# KiCad board simpleLogicCircuit.kicad_pcb_v1.4_4x1.kicad_pcb
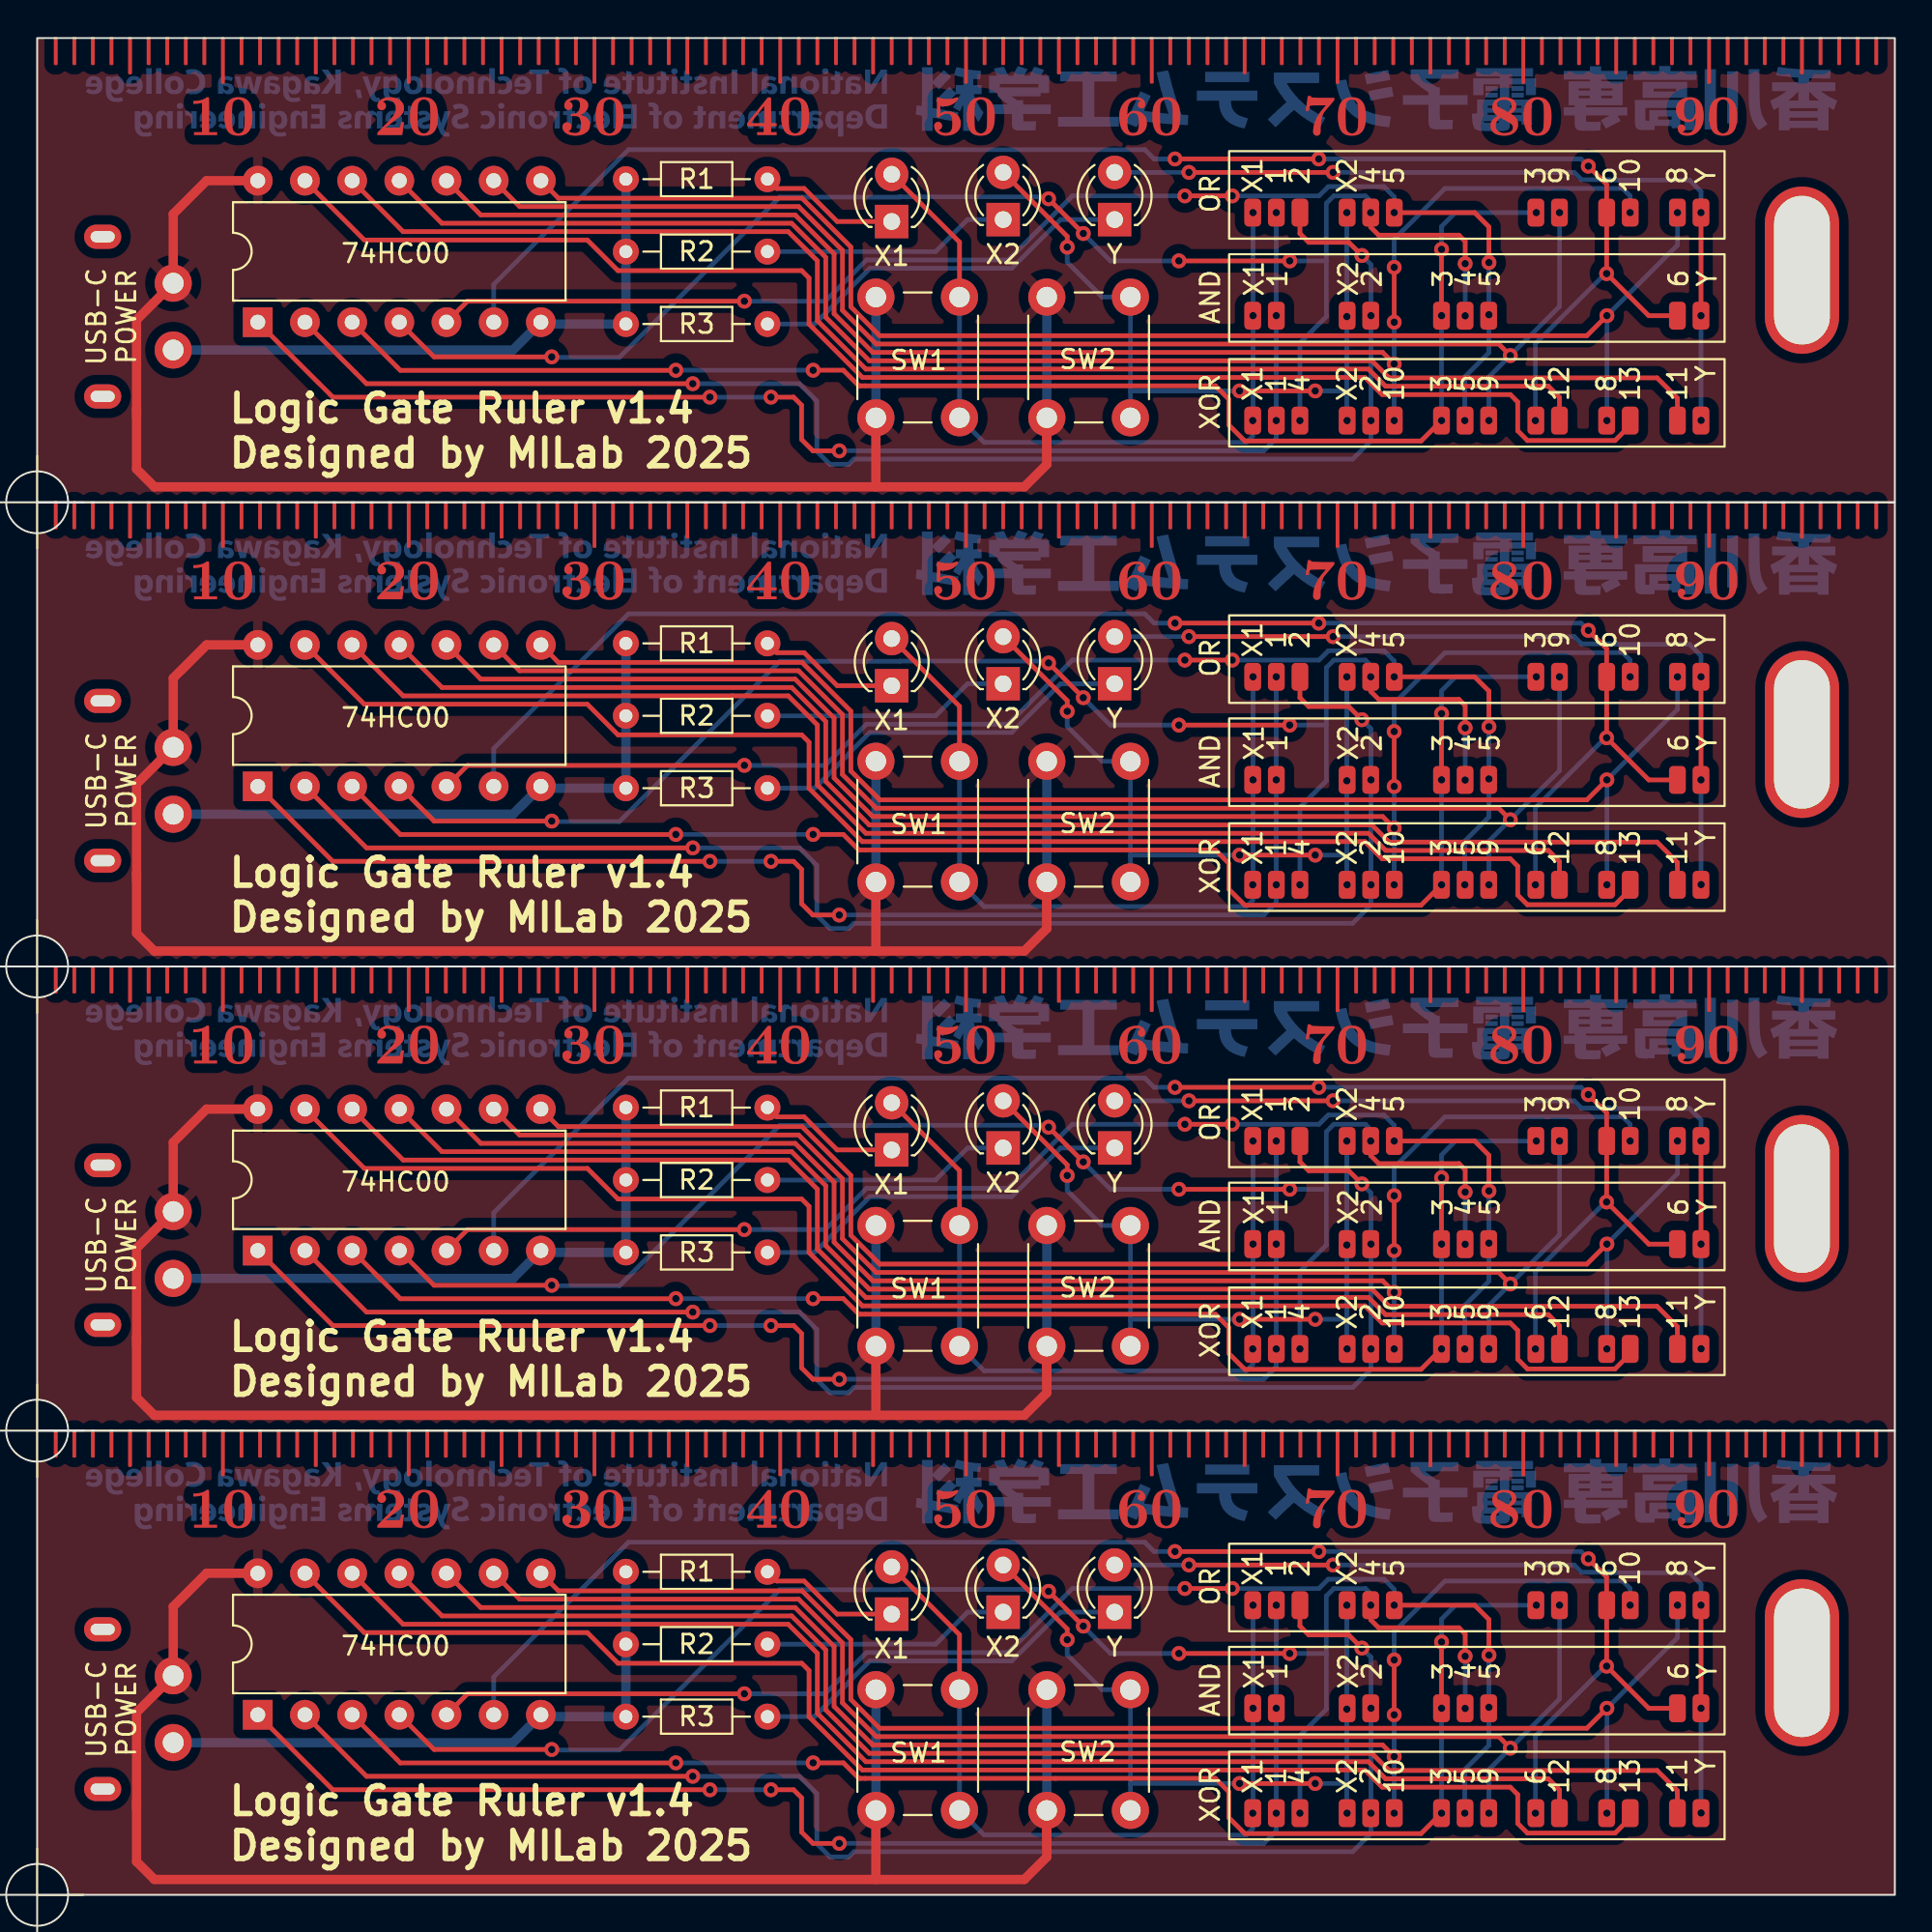
[diagram p0: board, top side]
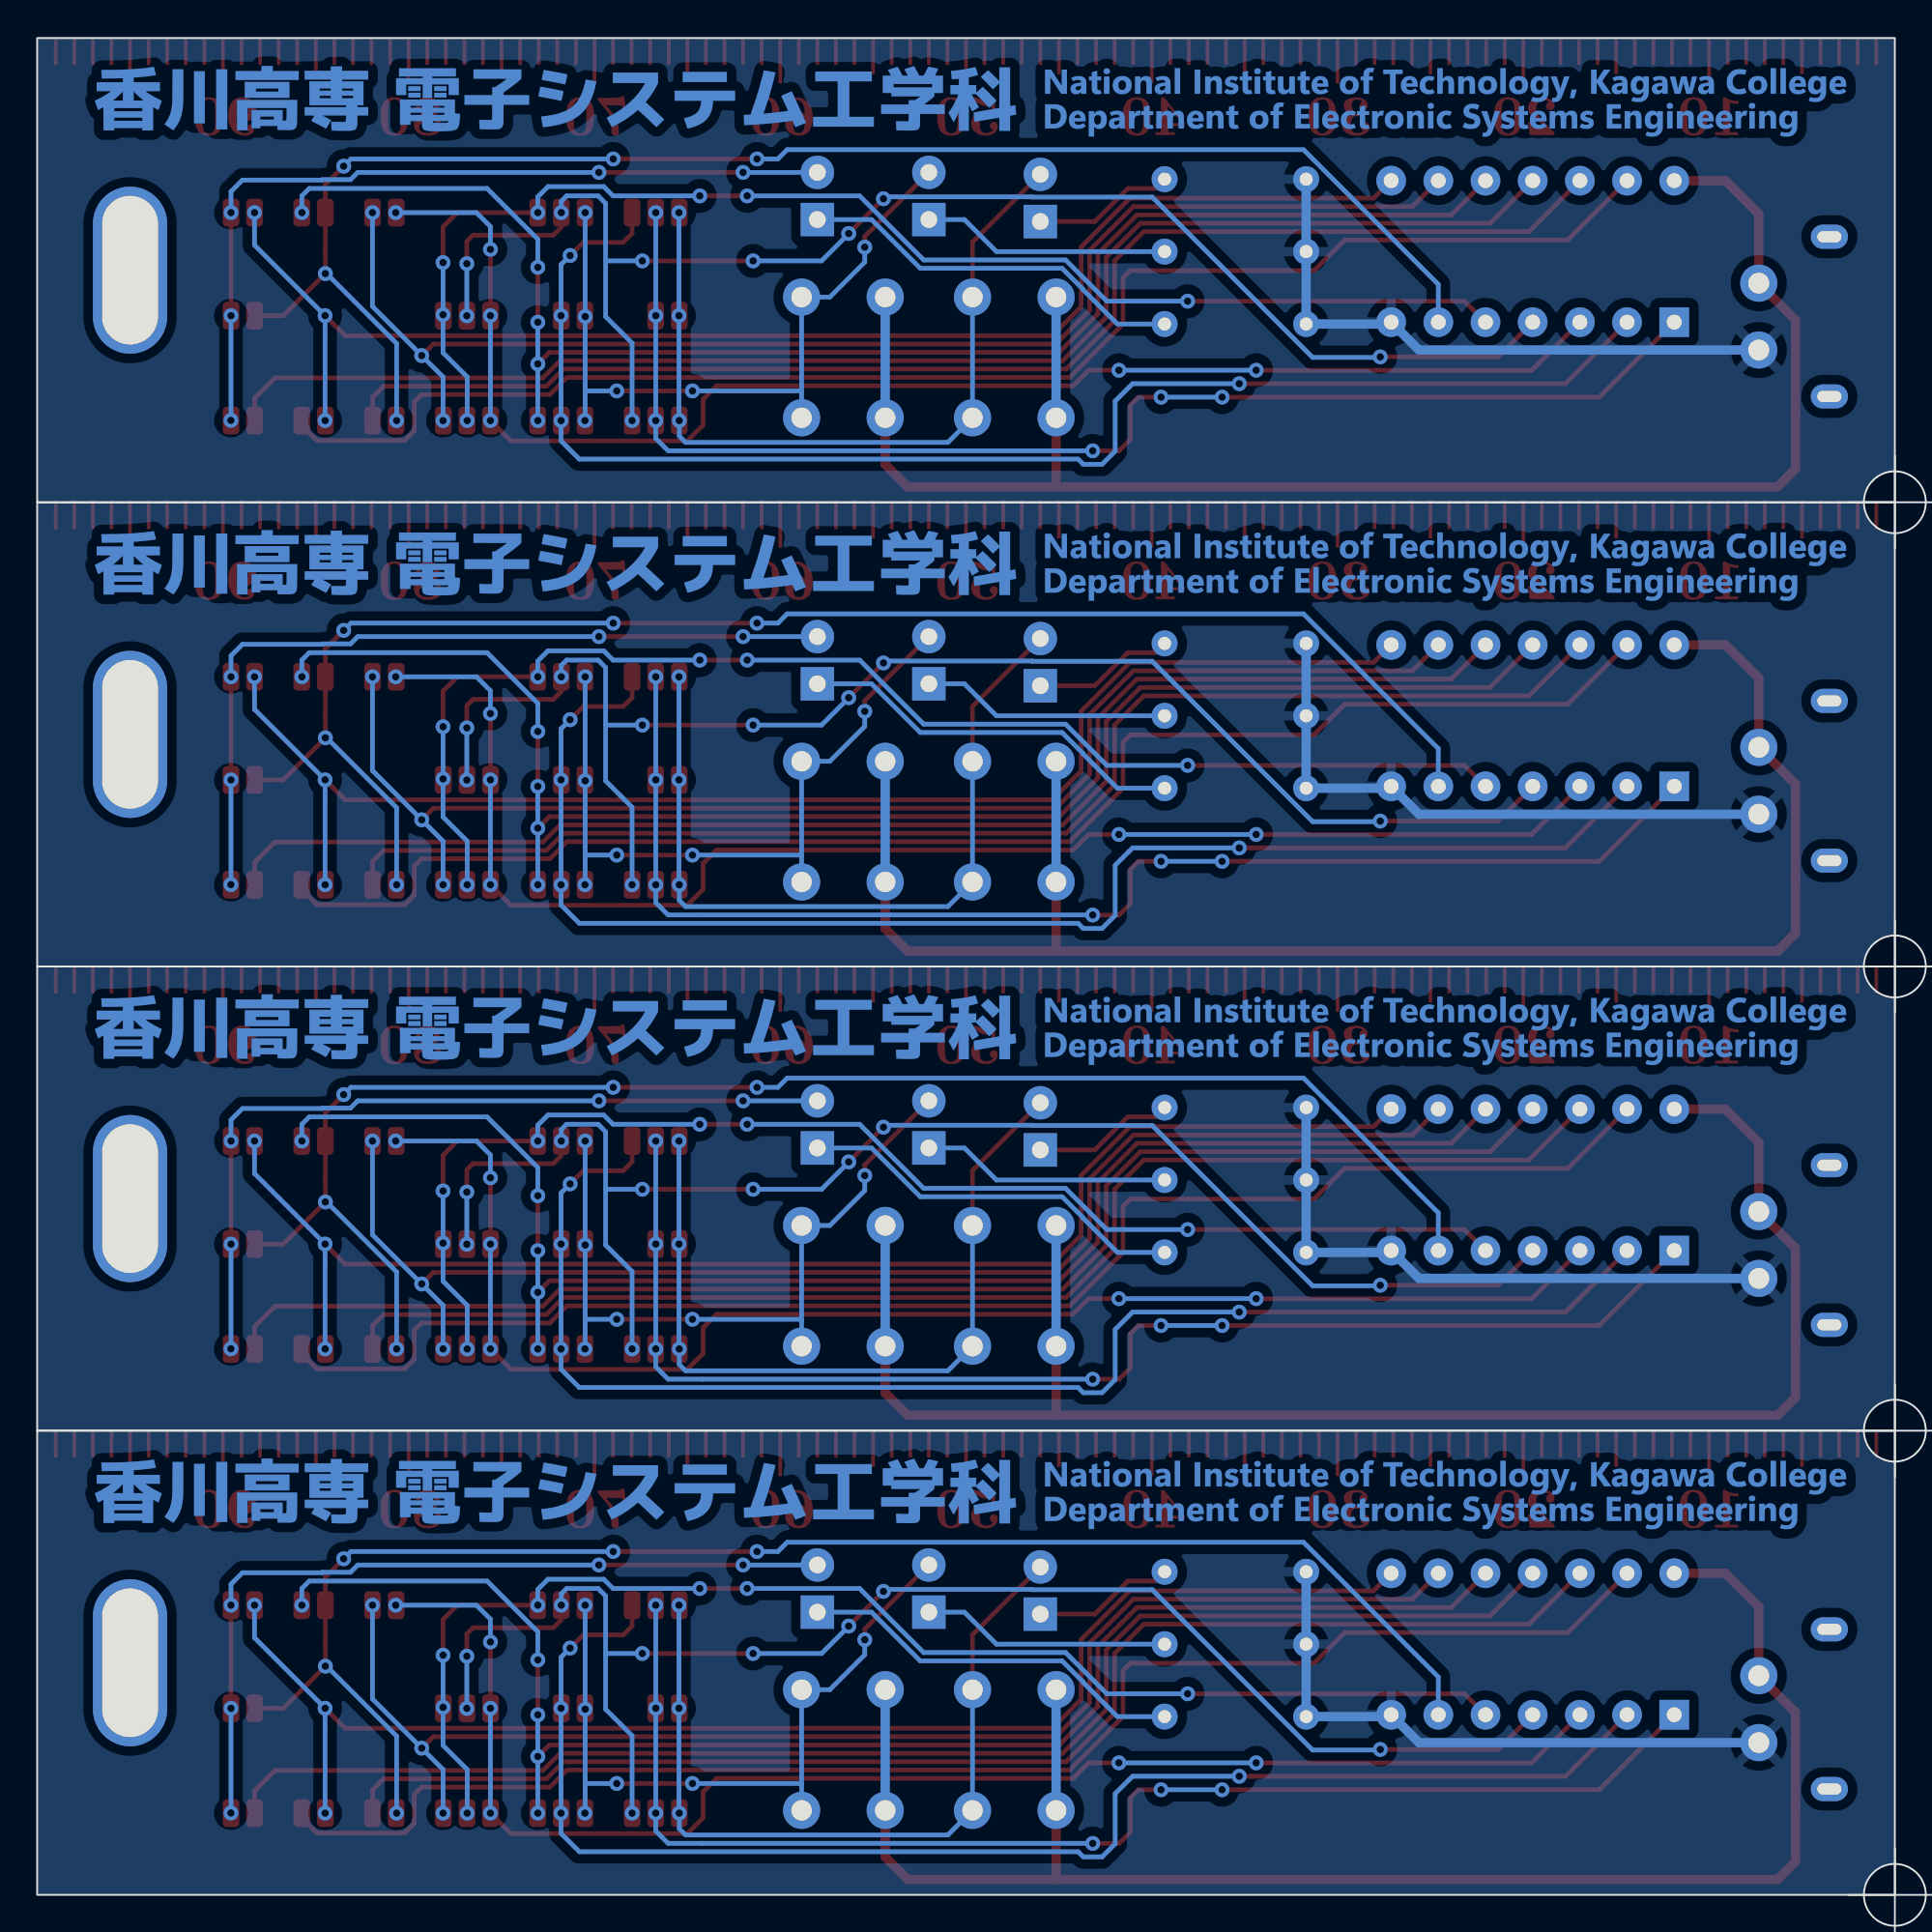
[diagram p1: board, bottom side, seen from below]

Outline 100 x 100 mm; copper layers: Top, Bottom. Coordinates in mm from the lower left corner of the outline.
Outline path: rectangle 0,100 100,75 ; rectangle 0,75 100,50 ; rectangle 0,50 100,25 ; rectangle 0,25 100,0
Stack: Top 0.035mm / dielectric 1.51mm FR4 er 4.5 / Bottom 0.035mm

## Placement (name value [footprint] x y rotation side)
74HC00  74HC00  [DIP-14_W7.62mm]  11.88 59.7 90 top
74HC00#2  74HC00  [DIP-14_W7.62mm]  11.88 84.7 90 top
74HC00#3  74HC00  [DIP-14_W7.62mm]  11.88 9.7 90 top
74HC00#4  74HC00  [DIP-14_W7.62mm]  11.88 34.7 90 top
AND  Pads_AND  [pads_of_and]  65.44 10.05 0 top
AND#2  Pads_AND  [pads_of_and]  65.44 35.05 0 top
AND#3  Pads_AND  [pads_of_and]  65.44 60.05 0 top
AND#4  Pads_AND  [pads_of_and]  65.44 85.05 0 top
G***  LOGO  [numbers_footprint_835_fmask]  49.9 95.7 0 top
G***#2  LOGO  [numbers_footprint_835_fcu]  49.9 70.7 0 top
G***#3  LOGO  [numbers_footprint_835_fmask]  49.9 20.7 0 top
G***#4  LOGO  [numbers_footprint_835_fcu]  49.9 45.7 0 top
G***#5  LOGO  [numbers_footprint_835_fcu]  49.9 20.7 0 top
G***#6  LOGO  [numbers_footprint_835_fcu]  49.9 95.7 0 top
G***#7  LOGO  [numbers_footprint_835_fmask]  49.9 45.7 0 top
G***#8  LOGO  [numbers_footprint_835_fmask]  49.9 70.7 0 top
G***#9  LOGO  [logo_text_nitkc]  49.45 71.22 180 bottom
G***#10  LOGO  [logo_text_nitkc]  49.45 96.22 180 bottom
G***#11  LOGO  [logo_text_nitkc]  49.45 46.22 180 bottom
G***#12  LOGO  [logo_text_nitkc]  49.45 21.22 180 bottom
OR  Pads_OR  [pads_of_or]  65.44 65.6 0 top
OR#2  Pads_OR  [pads_of_or]  65.44 40.6 0 top
OR#3  Pads_OR  [pads_of_or]  65.44 90.6 0 top
OR#4  Pads_OR  [pads_of_or]  65.44 15.6 0 top
R1  R  [R_Axial_DIN0204_L3.6mm_D1.6mm_P7.62mm_Horizontal]  39.31 92.4 180 top
R1#2  R  [R_Axial_DIN0204_L3.6mm_D1.6mm_P7.62mm_Horizontal]  39.31 42.4 180 top
R1#3  R  [R_Axial_DIN0204_L3.6mm_D1.6mm_P7.62mm_Horizontal]  39.31 67.4 180 top
R1#4  R  [R_Axial_DIN0204_L3.6mm_D1.6mm_P7.62mm_Horizontal]  39.31 17.4 180 top
R2  R  [R_Axial_DIN0204_L3.6mm_D1.6mm_P7.62mm_Horizontal]  39.31 13.5 180 top
R2#2  R  [R_Axial_DIN0204_L3.6mm_D1.6mm_P7.62mm_Horizontal]  39.31 88.5 180 top
R2#3  R  [R_Axial_DIN0204_L3.6mm_D1.6mm_P7.62mm_Horizontal]  39.31 38.5 180 top
R2#4  R  [R_Axial_DIN0204_L3.6mm_D1.6mm_P7.62mm_Horizontal]  39.31 63.5 180 top
R3  R  [R_Axial_DIN0204_L3.6mm_D1.6mm_P7.62mm_Horizontal]  39.31 9.6 180 top
R3#2  R  [R_Axial_DIN0204_L3.6mm_D1.6mm_P7.62mm_Horizontal]  39.31 59.6 180 top
R3#3  R  [R_Axial_DIN0204_L3.6mm_D1.6mm_P7.62mm_Horizontal]  39.31 84.6 180 top
R3#4  R  [R_Axial_DIN0204_L3.6mm_D1.6mm_P7.62mm_Horizontal]  39.31 34.6 180 top
REF**  -  [keyringhole]  95 87.5 0 top
REF**#2  -  [ruler_10cm]  0 100 0 top
REF**#3  -  [keyringhole]  95 62.5 0 top
REF**#4  -  [keyringhole]  95 37.5 0 top
REF**#5  -  [ruler_10cm]  0 75 0 top
REF**#6  -  [keyringhole]  95 12.5 0 top
REF**#7  -  [ruler_10cm]  0 50 0 top
REF**#8  -  [ruler_10cm]  0 25 0 top
SW1  SW_Push  [SW_PUSH_6mm]  45.15 79.55 90 top
SW1#2  SW_Push  [SW_PUSH_6mm]  45.15 29.55 90 top
SW1#3  SW_Push  [SW_PUSH_6mm]  45.15 54.55 90 top
SW1#4  SW_Push  [SW_PUSH_6mm]  45.15 4.55 90 top
SW2  SW_Push  [SW_PUSH_6mm]  54.35 4.55 90 top
SW2#2  SW_Push  [SW_PUSH_6mm]  54.35 54.55 90 top
SW2#3  SW_Push  [SW_PUSH_6mm]  54.35 79.55 90 top
SW2#4  SW_Push  [SW_PUSH_6mm]  54.35 29.55 90 top
USB-CPWR  USB_C_Receptacle_PowerOnly_6P  [USB-C-A295-CTRPB-1]  -0.08 10 270 top
USB-CPWR#2  USB_C_Receptacle_PowerOnly_6P  [USB-C-A295-CTRPB-1]  -0.08 35 270 top
USB-CPWR#3  USB_C_Receptacle_PowerOnly_6P  [USB-C-A295-CTRPB-1]  -0.08 85 270 top
USB-CPWR#4  USB_C_Receptacle_PowerOnly_6P  [USB-C-A295-CTRPB-1]  -0.08 60 270 top
X1  LED  [LED_D3.0mm]  46 15.12 90 top
X1#2  LED  [LED_D3.0mm]  46 40.12 90 top
X1#3  LED  [LED_D3.0mm]  46 90.12 90 top
X1#4  LED  [LED_D3.0mm]  46 65.12 90 top
X2  LED  [LED_D3.0mm]  52 15.22 90 top
X2#2  LED  [LED_D3.0mm]  52 40.22 90 top
X2#3  LED  [LED_D3.0mm]  52 65.22 90 top
X2#4  LED  [LED_D3.0mm]  52 90.22 90 top
XOR  Pads_XOR  [pads_of_xor]  65.44 79.4 0 top
XOR#2  Pads_XOR  [pads_of_xor]  65.44 4.4 0 top
XOR#3  Pads_XOR  [pads_of_xor]  65.44 54.4 0 top
XOR#4  Pads_XOR  [pads_of_xor]  65.44 29.4 0 top
Y  LED  [LED_D3.0mm]  58 65.22 90 top
Y#2  LED  [LED_D3.0mm]  58 15.22 90 top
Y#3  LED  [LED_D3.0mm]  58 90.22 90 top
Y#4  LED  [LED_D3.0mm]  58 40.22 90 top

## Footprints (pads in the part's own frame, mm; a bottom-side part is the same pattern mirrored in y, then rotated)
DIP-14_W7.62mm
  rect 1.6x1.6 hole 0.8: 1(0,0)
  oval 1.6x1.6 hole 0.8: 2(0,-2.54) 3(0,-5.08) 4(0,-7.62) 5(0,-10.16) 6(0,-12.7) 7(0,-15.24) 8(7.62,-15.24) 9(7.62,-12.7) 10(7.62,-10.16) 11(7.62,-7.62) 12(7.62,-5.08) 13(7.62,-2.54) 14(7.62,0)
keyringhole
  oval 4x9 hole 3x8: 2(0,0)
LED_D3.0mm
  rect 1.8x1.8 hole 0.9: 1(0,0)
  round 1.8 hole 0.9: 2(2.54,0)
pads_of_and
  rrect 0.9x1.5 smd: 1(0,0) 2(1.27,0) 3(5.08,0) 4(6.35,0) 5(10.16,0) 6(11.43,0) 7(12.7,0) 8(22.86,0) 9(24.13,0)
pads_of_or
  rrect 0.9x1.5 smd: 1(0,0) 2(1.27,0) 3(2.54,0) 4(5.08,0) 5(6.35,0) 6(7.62,0) 7(15.24,0) 8(16.51,0) 9(19.05,0) 10(20.32,0) 11(22.86,0) 12(24.13,0)
pads_of_xor
  rrect 0.9x1.5 smd: 1(0,0) 2(1.27,0) 3(2.54,0) 4(5.08,0) 5(6.35,0) 6(7.62,0) 7(10.16,0) 8(11.43,0) 9(12.7,0) 10(15.24,0) 11(16.51,0) 12(19.05,0) 13(20.32,0) 14(22.86,0) 15(24.13,0)
R_Axial_DIN0204_L3.6mm_D1.6mm_P7.62mm_Horizontal
  round 1.4 hole 0.7: 1(0,0)
  oval 1.4x1.4 hole 0.7: 2(7.62,0)
ruler_10cm
  rrect 0.2x2.5 smd: 4(10,-1.2) 4(20,-1.2) 4(30,-1.2) 4(40,-1.2) 4(50,-1.2) 4(60,-1.2) 4(70,-1.2) 4(80,-1.2) 4(90,-1.2)
  rrect 0.2x2 smd: 13(5,-0.95) 13(15,-0.95) 13(25,-0.95) 13(35,-0.95) 13(45,-0.95) 13(55,-0.95) 13(65,-0.95) 13(75,-0.95) 13(85,-0.95) 13(95,-0.95)
  rrect 0.2x1.5 smd: 23(4,-0.7) 23(14,-0.7) 23(24,-0.7) 23(34,-0.7) 23(44,-0.7) 23(54,-0.7) 23(64,-0.7) 23(74,-0.7) 23(84,-0.7) 23(94,-0.7) 24(3,-0.7) 24(13,-0.7) 24(23,-0.7) 24(33,-0.7) 24(43,-0.7) 24(53,-0.7) 24(63,-0.7) 24(73,-0.7) 24(83,-0.7) 24(93,-0.7) 25(2,-0.7) 25(12,-0.7) 25(22,-0.7) 25(32,-0.7) 25(42,-0.7) 25(52,-0.7) 25(62,-0.7) 25(72,-0.7) 25(82,-0.7) 25(92,-0.7) 26(1,-0.7) 26(11,-0.7) 26(21,-0.7) 26(31,-0.7) 26(41,-0.7) 26(51,-0.7) 26(61,-0.7) 26(71,-0.7) 26(81,-0.7) 26(91,-0.7) 27(6,-0.7) 27(16,-0.7) 27(26,-0.7) 27(36,-0.7) 27(46,-0.7) 27(56,-0.7) 27(66,-0.7) 27(76,-0.7) 27(86,-0.7) 27(96,-0.7) 28(7,-0.7) 28(17,-0.7) 28(27,-0.7) 28(37,-0.7) 28(47,-0.7) 28(57,-0.7) 28(67,-0.7) 28(77,-0.7) 28(87,-0.7) 28(97,-0.7) 29(8,-0.7) 29(18,-0.7) 29(28,-0.7) 29(38,-0.7) 29(48,-0.7) 29(58,-0.7) 29(68,-0.7) 29(78,-0.7) 29(88,-0.7) 29(98,-0.7) 30(9,-0.7) 30(19,-0.7) 30(29,-0.7) 30(39,-0.7) 30(49,-0.7) 30(59,-0.7) 30(69,-0.7) 30(79,-0.7) 30(89,-0.7) 30(99,-0.7)
SW_PUSH_6mm
  round 2 hole 1.1: 1(0,0) 1(6.5,0) 2(0,-4.5) 2(6.5,-4.5)
USB-C-A295-CTRPB-1
  round 2 hole 1.12: A9(-1.8,7.4) A12(1.8,7.4)
  oval 1.3x2 hole 0.6x1.3: S1(-4.3,3.6) S1(4.3,3.6)

## Nets
+5V: 74HC00.14 74HC00#2.14 74HC00#3.14 74HC00#4.14 SW1.1 SW1#2.1 SW1#3.1 SW1#4.1 SW2.1 SW2#2.1 SW2#3.1 SW2#4.1 USB-CPWR.A9 USB-CPWR#2.A9 USB-CPWR#3.A9 USB-CPWR#4.A9
GND: 74HC00.7 74HC00#2.7 74HC00#3.7 74HC00#4.7 R1.2 R1#2.2 R1#3.2 R1#4.2 R2.2 R2#2.2 R2#3.2 R2#4.2 R3.2 R3#2.2 R3#3.2 R3#4.2 USB-CPWR.A12 USB-CPWR#2.A12 USB-CPWR#3.A12 USB-CPWR#4.A12
/74HC00-1: 74HC00.1 74HC00#2.1 74HC00#3.1 74HC00#4.1 AND.2 AND#2.2 AND#3.2 AND#4.2 OR.2 OR#2.2 OR#3.2 OR#4.2 XOR.2 XOR#2.2 XOR#3.2 XOR#4.2
/74HC00-2: 74HC00.2 74HC00#2.2 74HC00#3.2 74HC00#4.2 AND.4 AND#2.4 AND#3.4 AND#4.4 OR.3 OR#2.3 OR#3.3 OR#4.3 XOR.5 XOR#2.5 XOR#3.5 XOR#4.5
/74HC00-3: 74HC00.3 74HC00#2.3 74HC00#3.3 74HC00#4.3 AND.5 AND#2.5 AND#3.5 AND#4.5 OR.7 OR#2.7 OR#3.7 OR#4.7 XOR.7 XOR#2.7 XOR#3.7 XOR#4.7
/74HC00-4: 74HC00.4 74HC00#2.4 74HC00#3.4 74HC00#4.4 AND.6 AND#2.6 AND#3.6 AND#4.6 OR.5 OR#2.5 OR#3.5 OR#4.5 XOR.3 XOR#2.3 XOR#3.3 XOR#4.3
/74HC00-5: 74HC00.5 74HC00#2.5 74HC00#3.5 74HC00#4.5 AND.7 AND#2.7 AND#3.7 AND#4.7 OR.6 OR#2.6 OR#3.6 OR#4.6 XOR.8 XOR#2.8 XOR#3.8 XOR#4.8
/74HC00-6: 74HC00.6 74HC00#2.6 74HC00#3.6 74HC00#4.6 AND.8 AND#2.8 AND#3.8 AND#4.8 OR.9 OR#2.9 OR#3.9 OR#4.9 XOR.10 XOR#2.10 XOR#3.10 XOR#4.10
/74HC00-8: 74HC00.8 74HC00#2.8 74HC00#3.8 74HC00#4.8 OR.11 OR#2.11 OR#3.11 OR#4.11 XOR.12 XOR#2.12 XOR#3.12 XOR#4.12
/74HC00-9: 74HC00.9 74HC00#2.9 74HC00#3.9 74HC00#4.9 OR.8 OR#2.8 OR#3.8 OR#4.8 XOR.9 XOR#2.9 XOR#3.9 XOR#4.9
/74HC00-10: 74HC00.10 74HC00#2.10 74HC00#3.10 74HC00#4.10 OR.10 OR#2.10 OR#3.10 OR#4.10 XOR.6 XOR#2.6 XOR#3.6 XOR#4.6
/74HC00-11: 74HC00.11 74HC00#2.11 74HC00#3.11 74HC00#4.11 XOR.14 XOR#2.14 XOR#3.14 XOR#4.14
/74HC00-12: 74HC00.12 74HC00#2.12 74HC00#3.12 74HC00#4.12 XOR.11 XOR#2.11 XOR#3.11 XOR#4.11
/74HC00-13: 74HC00.13 74HC00#2.13 74HC00#3.13 74HC00#4.13 XOR.13 XOR#2.13 XOR#3.13 XOR#4.13
/X1: AND.1 AND#2.1 AND#3.1 AND#4.1 OR.1 OR#2.1 OR#3.1 OR#4.1 SW1.2 SW1#2.2 SW1#3.2 SW1#4.2 X1.2 X1#2.2 X1#3.2 X1#4.2 XOR.1 XOR#2.1 XOR#3.1 XOR#4.1
/X2: AND.3 AND#2.3 AND#3.3 AND#4.3 OR.4 OR#2.4 OR#3.4 OR#4.4 SW2.2 SW2#2.2 SW2#3.2 SW2#4.2 X2.2 X2#2.2 X2#3.2 X2#4.2 XOR.4 XOR#2.4 XOR#3.4 XOR#4.4
/Y: AND.9 AND#2.9 AND#3.9 AND#4.9 OR.12 OR#2.12 OR#3.12 OR#4.12 XOR.15 XOR#2.15 XOR#3.15 XOR#4.15 Y.2 Y#2.2 Y#3.2 Y#4.2
Net-(D1-Pad1): R1.1 R1#2.1 R1#3.1 R1#4.1 X1.1 X1#2.1 X1#3.1 X1#4.1
Net-(D2-Pad1): R2.1 R2#2.1 R2#3.1 R2#4.1 X2.1 X2#2.1 X2#3.1 X2#4.1
Net-(D3-Pad1): R3.1 R3#2.1 R3#3.1 R3#4.1 Y.1 Y#2.1 Y#3.1 Y#4.1

Pads without a net: REF** 2; REF**#2 4 13 23 24 25 26 27 28 29 30; REF**#3 2; REF**#4 2; REF**#5 4 13 23 24 25 26 27 28 29 30; REF**#6 2; REF**#7 4 13 23 24 25 26 27 28 29 30; REF**#8 4 13 23 24 25 26 27 28 29 30; USB-CPWR S1; USB-CPWR#2 S1; USB-CPWR#3 S1; USB-CPWR#4 S1

## Via types
v1: diameter 0.8, hole 0.4, Top to Bottom, 248 vias

## Routing (per net, layer and track width the routed paths; a pad name or vN(x,y) marks a point on that pad's centre or on a via; arc(x,y) is an arc through that point)
+5V: length 366.6
  Top w0.5: 45.13,25.83 53.14,25.83 54.35,27.04 SW2#4.1 54.35,27.3 ; 45.13,25.83 45.15,25.85 SW1#2.1 ; 45.13,25.83 6.31,25.83 5.35,26.79 5.35,30.01 ; 5.35,30.01 5.35,29.6 ; 5.35,30.01 5.35,34.82 USB-CPWR#2.A9 7.32,40.52 9.12,42.32 74HC00#4.14 ; 45.13,0.83 45.15,0.85 SW1#4.1 ; 45.13,0.83 6.31,0.83 5.35,1.79 5.35,5.01 ; 45.13,0.83 53.14,0.83 54.35,2.04 SW2.1 54.35,2.3 ; SW1#3.1 45.15,50.85 45.13,50.83 ; 45.13,75.83 45.15,75.85 SW1.1 ; 45.13,75.83 53.14,75.83 54.35,77.04 SW2#3.1 54.35,77.3 ; 45.13,75.83 6.31,75.83 5.35,76.79 5.35,80.01 ; 45.13,50.83 6.31,50.83 5.35,51.79 5.35,55.01 ; 45.13,50.83 53.14,50.83 54.35,52.04 SW2#2.1 54.35,52.3 ; 5.35,55.01 5.35,59.82 USB-CPWR#4.A9 7.32,65.52 9.12,67.32 74HC00.14 ; 5.35,55.01 5.35,54.6 ; 74HC00#2.14 9.12,92.32 7.32,90.52 USB-CPWR#3.A9 5.35,84.82 5.35,80.01 ; 5.35,80.01 5.35,79.6 ; 5.35,5.01 5.35,9.82 USB-CPWR.A9 7.32,15.52 9.12,17.32 74HC00#3.14 ; 5.35,5.01 5.35,4.6
  Bottom w0.5: SW2#2.1 SW2#2.1 ; SW1#4.1 SW1#4.1 ; SW1#3.1 SW1#3.1 ; SW2.1 SW2.1 ; SW2#4.1 SW2#4.1 ; SW2#3.1 SW2#3.1 ; SW1#2.1 SW1#2.1 ; SW1.1 SW1.1
GND: length 131.3
  Bottom w0.5: USB-CPWR#2.A12 25.61,33.2 74HC00#4.7 27.22,34.6 R3#4.2 R1#2.2 ; R1.2 R3#3.2 27.22,84.6 74HC00#2.7 25.61,83.2 USB-CPWR#3.A12 ; R1#4.2 R3.2 27.22,9.6 74HC00#3.7 25.61,8.2 USB-CPWR.A12 ; R1#3.2 R3#2.2 27.22,59.6 74HC00.7 25.61,58.2 USB-CPWR#4.A12
/74HC00-1: length 284.9
  Top w0.25: 74HC00#4.1 15.91,30.66 v1(36.21,30.66) ; v1(39.5,5.66) 40.72,5.66 41.15,5.23 41.15,3.38 41.76,2.77 v1(43.18,2.77) ; v1(36.21,55.66) 15.91,55.66 74HC00.1 ; v1(39.5,80.66) 40.72,80.66 41.15,80.23 41.15,78.38 41.76,77.77 v1(43.18,77.77) ; v1(39.5,55.66) 40.72,55.66 41.15,55.23 41.15,53.38 41.76,52.77 v1(43.18,52.77) ; v1(39.5,30.66) 40.72,30.66 41.15,30.23 41.15,28.38 41.76,27.77 v1(43.18,27.77) ; 74HC00#3.1 15.91,5.66 v1(36.21,5.66) ; 74HC00#2.1 15.91,80.66 v1(36.21,80.66)
  Bottom w0.25: v1(36.21,5.66) v1(39.5,5.66) ; v1(43.18,27.77) 43.19,27.77 66.03,27.77 66.7,28.44 v1(66.7,29.4) v1(66.7,35.05) v1(66.7,40.6) ; v1(36.21,55.66) v1(39.5,55.66) ; v1(43.18,77.77) 43.19,77.77 66.03,77.77 66.7,78.44 v1(66.7,79.4) v1(66.7,85.05) v1(66.7,90.6) ; v1(36.21,30.66) v1(39.5,30.66) ; v1(43.18,2.77) 43.19,2.78 66.03,2.78 66.7,3.44 v1(66.7,4.4) v1(66.7,10.05) v1(66.7,15.6) ; v1(66.7,65.6) v1(66.7,60.05) v1(66.7,54.4) 66.7,53.44 66.03,52.77 43.19,52.77 v1(43.18,52.77) ; v1(36.21,80.66) v1(39.5,80.66)
/74HC00-2: length 311.2
  Top w0.25: v1(35.29,31.39) 17.73,31.39 74HC00#4.2 ; v1(71.31,38.29) 70.6,39 68.45,39 67.97,39.47 OR#2.3 ; v1(71.31,13.29) 70.6,14 68.45,14 67.97,14.47 OR#4.3 ; v1(71.31,88.29) 70.6,89 68.45,89 67.97,89.47 OR#3.3 ; v1(35.29,81.39) 17.73,81.39 74HC00#2.2 ; v1(71.31,63.29) 70.6,64 68.45,64 67.97,64.47 OR.3 ; 74HC00#3.2 17.73,6.39 v1(35.29,6.39) ; v1(35.29,56.39) 17.73,56.39 74HC00.2
  Bottom w0.25: v1(71.31,38.29) 71.8,37.8 v1(71.8,35.05) v1(71.8,29.4) 71.8,28.31 70.81,27.32 43.97,27.32 43.69,27.04 42.67,27.04 41.97,27.75 41.97,30.45 41.03,31.39 v1(35.29,31.39) ; v1(35.29,6.39) 41.03,6.39 41.97,5.45 41.97,2.75 42.67,2.04 43.69,2.04 43.97,2.32 70.81,2.32 71.8,3.31 v1(71.8,4.4) v1(71.8,10.05) 71.8,12.8 v1(71.31,13.29) ; v1(71.31,88.29) 71.8,87.8 v1(71.8,85.05) v1(71.8,79.4) 71.8,78.31 70.81,77.32 43.97,77.32 43.69,77.04 42.67,77.04 41.97,77.75 41.97,80.45 41.03,81.39 v1(35.29,81.39) ; v1(71.31,63.29) 71.8,62.8 v1(71.8,60.05) v1(71.8,54.4) 71.8,53.31 70.81,52.32 43.97,52.32 43.69,52.04 42.67,52.04 41.97,52.75 41.97,55.45 41.03,56.39 v1(35.29,56.39)
/74HC00-3: length 313.7
  Top w0.25: v1(34.38,57.11) 34.37,57.1 19.55,57.1 74HC00.3 ; v1(75.6,88.62) 75.59,88.61 AND#4.5 ; v1(41.77,82.11) 43.4,82.11 44.24,81.27 63.43,81.27 64.15,80.55 64.15,79.16 65.01,78.3 74.5,78.3 XOR.7 ; AND#3.5 75.59,63.61 v1(75.6,63.62) ; v1(34.38,32.11) 34.37,32.1 19.55,32.1 74HC00#4.3 ; v1(34.38,7.11) 34.37,7.1 19.55,7.1 74HC00#3.3 ; v1(41.77,7.11) 43.4,7.11 44.24,6.27 63.43,6.27 64.15,5.55 64.15,4.16 65.01,3.3 74.5,3.3 XOR#2.7 ; v1(75.6,38.62) 75.59,38.61 AND#2.5 ; XOR#3.7 74.5,53.3 65.01,53.3 64.15,54.16 64.15,55.55 63.43,56.27 44.24,56.27 43.4,57.11 v1(41.77,57.11) ; v1(75.6,13.62) 75.59,13.61 AND.5 ; v1(34.38,82.11) 34.37,82.1 19.55,82.1 74HC00#2.3 ; XOR#4.7 74.5,28.3 65.01,28.3 64.15,29.16 64.15,30.55 63.43,31.27 44.24,31.27 43.4,32.11 v1(41.77,32.11)
  Bottom w0.25: v1(75.6,38.62) 75.6,39.85 76.35,40.6 v1(80.7,40.6) ; v1(80.7,90.6) 76.35,90.6 75.6,89.85 v1(75.6,88.62) ; v1(75.6,13.62) 75.6,14.85 76.35,15.6 v1(80.7,15.6) ; v1(75.6,10.05) v1(75.6,4.4) ; v1(75.6,60.05) v1(75.6,54.4) ; v1(34.38,32.11) v1(41.77,32.11) ; v1(34.38,7.11) v1(41.77,7.11) ; v1(75.6,35.05) v1(75.6,29.4) ; v1(80.7,65.6) 76.35,65.6 75.6,64.85 v1(75.6,63.62) ; v1(75.6,85.05) v1(75.6,79.4) ; v1(34.38,82.11) v1(41.77,82.11) ; v1(34.38,57.11) v1(41.77,57.11)
/74HC00-4: length 325.9
  Top w0.25: v1(61.46,63) v1(67.42,63) ; v1(61.46,38) v1(67.42,38) ; v1(76.87,12.85) 76.87,14.05 76.53,14.38 72.22,14.38 71.78,14.81 v1(71.78,15.6) ; v1(76.87,37.85) 76.87,39.05 76.53,39.38 72.22,39.38 71.78,39.81 v1(71.78,40.6) ; v1(71.78,65.6) 71.78,64.81 72.22,64.38 76.53,64.38 76.87,64.05 v1(76.87,62.85) ; v1(27.7,57.83) 21.36,57.83 74HC00.4 ; v1(54.44,66.34) v1(56.31,64.47) ; v1(27.7,7.83) 21.36,7.83 74HC00#3.4 ; v1(61.46,88) v1(67.42,88) ; 74HC00#4.4 21.36,32.83 v1(27.7,32.83) ; v1(54.44,41.34) v1(56.31,39.47) ; v1(27.7,82.83) 21.36,82.83 74HC00#2.4 ; v1(61.46,13) v1(67.42,13) ; v1(54.44,16.34) v1(56.31,14.47) ; v1(54.44,91.34) v1(56.31,89.47) ; v1(76.87,87.85) 76.87,89.05 76.53,89.38 72.22,89.38 71.78,89.81 v1(71.78,90.6)
  Bottom w0.25: v1(76.87,60.04) v1(76.87,62.85) ; v1(67.42,63) 69.4,63 ; 69.4,63 69.4,66.1 69.8,66.5 71.5,66.5 71.78,66.21 v1(71.78,65.6) ; 69.4,63 69.4,60 67.97,58.57 v1(67.97,54.4) ; 69.4,13 69.4,16.1 69.8,16.5 71.5,16.5 71.78,16.21 v1(71.78,15.6) ; 69.4,13 69.4,10 67.97,8.57 v1(67.97,4.4) ; 69.4,13 v1(67.42,13) ; 69.4,38 69.4,41.1 69.8,41.5 71.5,41.5 71.78,41.21 v1(71.78,40.6) ; 69.4,38 69.4,35 67.97,33.57 v1(67.97,29.4) ; 69.4,38 v1(67.42,38) ; v1(71.78,90.6) 71.78,91.22 71.5,91.5 69.8,91.5 69.4,91.1 69.4,88 ; v1(27.7,57.83) 27.73,57.8 31.34,57.8 39.97,66.43 46.44,66.43 46.45,66.45 54.34,66.45 v1(54.44,66.34) ; v1(54.44,16.34) 54.34,16.45 46.45,16.45 46.44,16.43 39.97,16.43 31.34,7.8 27.73,7.8 v1(27.7,7.83) ; 69.4,88 69.4,85 67.97,83.57 v1(67.97,79.4) ; 69.4,88 v1(67.42,88) ; v1(56.31,64.47) 56.31,64.46 57.77,63 v1(61.46,63) ; v1(54.44,41.34) 54.34,41.45 46.45,41.45 46.44,41.43 39.97,41.43 31.34,32.8 27.73,32.8 v1(27.7,32.83) ; v1(54.44,91.34) 54.34,91.45 46.45,91.45 46.44,91.44 39.97,91.44 31.34,82.8 27.73,82.8 v1(27.7,82.83) ; v1(56.31,89.47) 56.31,89.46 57.77,88 v1(61.46,88) ; v1(76.87,10.04) v1(76.87,12.85) ; v1(56.31,39.47) 56.31,39.46 57.77,38 v1(61.46,38) ; v1(61.46,13) 57.77,13 56.31,14.46 v1(56.31,14.47) ; v1(76.87,35.04) v1(76.87,37.85) ; v1(76.87,85.04) v1(76.87,87.85)
/74HC00-5: length 286
  Top w0.25: v1(38.07,60.83) 23.16,60.83 74HC00.5 ; v1(38.07,85.83) 23.16,85.83 74HC00#2.5 ; v1(78.15,12.91) 78.15,14.83 77.38,15.6 OR#4.6 ; v1(38.07,10.83) 23.16,10.83 74HC00#3.5 ; v1(78.15,62.91) 78.15,64.83 77.38,65.6 OR.6 ; v1(61.78,66.5) v1(64.33,66.5) ; 74HC00#4.5 23.16,35.83 v1(38.07,35.83) ; v1(61.78,91.5) v1(64.33,91.5) ; OR#3.6 77.38,90.6 78.15,89.83 v1(78.15,87.91) ; v1(61.78,16.5) v1(64.33,16.5) ; v1(78.15,37.91) 78.15,39.83 77.38,40.6 OR#2.6 ; v1(61.78,41.5) v1(64.33,41.5)
  Bottom w0.25: v1(73.05,65.6) 73.05,66.45 72.5,67 69.5,67 69,66.5 v1(64.33,66.5) ; v1(38.07,10.83) 42.42,10.83 44.64,13.05 52.27,13.05 55.72,16.5 v1(61.78,16.5) ; v1(78.15,12.91) v1(78.15,10.1) 78.15,8.05 76.85,6.75 v1(76.85,4.4) ; v1(64.33,16.5) 69,16.5 69.5,17 72.5,17 73.05,16.45 v1(73.05,15.6) ; v1(78.15,87.91) v1(78.15,85.1) 78.15,83.05 76.85,81.75 v1(76.85,79.4) ; v1(38.07,85.83) 42.42,85.83 44.64,88.05 52.27,88.05 55.72,91.5 v1(61.78,91.5) ; v1(76.85,54.4) 76.85,56.75 78.15,58.05 v1(78.15,60.1) v1(78.15,62.91) ; v1(73.05,40.6) 73.05,41.45 72.5,42 69.5,42 69,41.5 v1(64.33,41.5) ; v1(61.78,41.5) 55.72,41.5 52.27,38.05 44.64,38.05 42.42,35.83 v1(38.07,35.83) ; v1(73.05,90.6) 73.05,91.45 72.5,92 69.5,92 69,91.5 v1(64.33,91.5) ; v1(76.85,29.4) 76.85,31.75 78.15,33.05 v1(78.15,35.1) v1(78.15,37.91) ; v1(38.07,60.83) 42.42,60.83 44.64,63.05 52.27,63.05 55.72,66.5 v1(61.78,66.5)
/74HC00-6: length 339.3
  Top w0.25: v1(61.25,93.49) v1(68.99,93.49) ; v1(83.5,93.1) 84.48,92.11 OR#3.9 v1(84.48,87.31) 86.75,85.05 AND#4.8 ; v1(83.5,68.1) 84.48,67.11 OR.9 v1(84.48,62.31) 86.75,60.05 AND#3.8 ; v1(83.5,43.1) 84.48,42.11 OR#2.9 v1(84.48,37.31) 86.75,35.05 AND#2.8 ; v1(61.25,68.49) v1(68.99,68.49) ; v1(61.25,43.49) v1(68.99,43.49) ; v1(61.25,18.49) v1(68.99,18.49) ; v1(83.5,18.1) 84.48,17.11 OR#4.9 v1(84.48,12.31) 86.75,10.05 AND.8
  Bottom w0.25: v1(61.25,93.49) 60.13,93.49 59.62,93.99 31.83,93.99 24.58,86.73 74HC00#2.6 ; 74HC00.6 24.58,61.73 31.83,68.99 59.62,68.99 60.13,68.49 v1(61.25,68.49) ; v1(80.65,79.4) 80.65,83.55 84.41,87.31 v1(84.48,87.31) ; v1(68.99,43.49) 83.11,43.49 v1(83.5,43.1) ; v1(68.99,68.49) 83.11,68.49 v1(83.5,68.1) ; v1(83.5,93.1) 83.11,93.49 v1(68.99,93.49) ; v1(80.65,4.4) 80.65,8.55 84.41,12.31 v1(84.48,12.31) ; v1(61.25,43.49) 60.13,43.49 59.62,43.99 31.83,43.99 24.58,36.73 74HC00#4.6 ; v1(83.5,18.1) 83.11,18.49 v1(68.99,18.49) ; 74HC00#3.6 24.58,11.73 31.83,18.99 59.62,18.99 60.13,18.49 v1(61.25,18.49) ; v1(84.48,62.31) 84.41,62.31 80.65,58.55 v1(80.65,54.4) ; v1(80.65,29.4) 80.65,33.55 84.41,37.31 v1(84.48,37.31)
/74HC00-8: length 303.8
  Top w0.25: v1(84.5,60.05) 83.42,58.97 45.35,58.97 43.8,60.53 43.8,63.75 41.17,66.38 28.06,66.38 74HC00.8 ; 74HC00#3.8 28.06,16.38 41.17,16.38 43.8,13.75 43.8,10.53 45.35,8.97 83.42,8.97 v1(84.5,10.05) ; v1(84.5,85.05) 83.42,83.97 45.35,83.97 43.8,85.53 43.8,88.75 41.17,91.38 28.06,91.38 74HC00#2.8 ; 74HC00#4.8 28.06,41.38 41.17,41.38 43.8,38.75 43.8,35.53 45.35,33.97 83.42,33.97 v1(84.5,35.05)
  Bottom w0.25: v1(88.3,40.6) 88.3,38.85 v1(84.5,35.05) v1(84.5,29.4) ; v1(88.3,15.6) 88.3,13.85 v1(84.5,10.05) v1(84.5,4.4) ; v1(88.3,65.6) 88.3,63.85 v1(84.5,60.05) v1(84.5,54.4) ; v1(88.3,90.6) 88.3,88.85 v1(84.5,85.05) v1(84.5,79.4)
/74HC00-9: length 293.2
  Top w0.25: v1(79.3,7.9) 78.68,8.52 45.17,8.52 43.35,10.34 43.35,13.56 40.99,15.92 25.97,15.92 74HC00#3.9 ; v1(79.3,57.9) 78.68,58.52 45.17,58.52 43.35,60.34 43.35,63.56 40.99,65.92 25.97,65.92 74HC00.9 ; v1(79.3,32.9) 78.68,33.52 45.17,33.52 43.35,35.34 43.35,38.56 40.99,40.92 25.97,40.92 74HC00#4.9 ; 74HC00#2.9 25.97,90.92 40.99,90.92 43.35,88.56 43.35,85.34 45.17,83.52 78.68,83.52 v1(79.3,82.9)
  Bottom w0.25: v1(78.15,79.4) 78.15,81.75 v1(79.3,82.9) 81.95,85.55 v1(81.95,90.6) ; v1(81.95,15.6) 81.95,10.55 v1(79.3,7.9) 78.15,6.75 v1(78.15,4.4) ; v1(78.15,29.4) 78.15,31.75 v1(79.3,32.9) 81.95,35.55 v1(81.95,40.6) ; v1(78.15,54.4) 78.15,56.75 v1(79.3,57.9) 81.95,60.55 v1(81.95,65.6)
/74HC00-10: length 326.6
  Top w0.25: v1(73.05,84.7) v1(73.05,87.65) ; v1(73.05,7.45) 72.43,8.07 44.98,8.07 42.9,10.15 42.9,13.38 40.8,15.47 23.88,15.47 74HC00#3.10 ; 74HC00#4.10 23.88,40.47 40.8,40.47 42.9,38.38 42.9,35.15 44.98,33.07 72.43,33.07 v1(73.05,32.45) ; v1(73.05,9.7) v1(73.05,12.65) ; v1(73.05,34.7) v1(73.05,37.65) ; v1(73.05,82.45) 72.43,83.07 44.98,83.07 42.9,85.15 42.9,88.38 40.8,90.47 23.88,90.47 74HC00#2.10 ; v1(73.05,57.45) 72.43,58.07 44.98,58.07 42.9,60.15 42.9,63.38 40.8,65.47 23.88,65.47 74HC00.10 ; v1(73.05,59.7) v1(73.05,62.65)
  Bottom w0.25: v1(73.05,59.7) v1(73.05,57.45) v1(73.05,54.4) ; v1(73.05,87.65) 73.05,89.17 75.78,91.9 85.35,91.9 85.75,91.5 v1(85.75,90.6) ; v1(73.05,34.7) v1(73.05,32.45) v1(73.05,29.4) ; v1(85.75,40.6) 85.75,41.5 85.35,41.9 75.78,41.9 73.05,39.17 v1(73.05,37.65) ; v1(73.05,4.4) v1(73.05,7.45) v1(73.05,9.7) ; v1(85.75,15.6) 85.75,16.5 85.35,16.9 75.78,16.9 73.05,14.17 v1(73.05,12.65) ; v1(73.05,79.4) v1(73.05,82.45) v1(73.05,84.7) ; v1(73.05,62.65) 73.05,64.17 75.78,66.9 85.35,66.9 85.75,66.5 v1(85.75,65.6)
/74HC00-11: length 307
  Top w0.25: 74HC00.11 21.79,65.02 40.62,65.02 42.45,63.19 42.45,59.97 44.79,57.62 71.85,57.62 72.77,56.7 87.2,56.7 88.3,55.6 XOR#3.14 ; XOR#4.14 88.3,30.6 87.2,31.7 72.77,31.7 71.85,32.62 44.79,32.62 42.45,34.97 42.45,38.19 40.62,40.02 21.79,40.02 74HC00#4.11 ; 74HC00#2.11 21.79,90.02 40.62,90.02 42.45,88.19 42.45,84.97 44.79,82.62 71.85,82.62 72.77,81.7 87.2,81.7 88.3,80.6 XOR.14 ; 74HC00#3.11 21.79,15.02 40.62,15.02 42.45,13.19 42.45,9.97 44.79,7.62 71.85,7.62 72.77,6.7 87.2,6.7 88.3,5.6 XOR#2.14
/74HC00-12: length 291.9
  Top w0.25: 81.94,29.4 81.94,30.66 81.35,31.25 72.59,31.25 71.67,32.17 44.61,32.17 42,34.78 42,38 40.43,39.57 19.7,39.57 74HC00#4.12 ; 74HC00#3.12 19.7,14.57 40.43,14.57 42,13 42,9.78 44.61,7.17 71.67,7.17 72.59,6.25 81.35,6.25 81.94,5.66 81.94,4.4 ; 74HC00.12 19.7,64.57 40.43,64.57 42,63 42,59.78 44.61,57.17 71.67,57.17 72.59,56.25 81.35,56.25 81.94,55.66 81.94,54.4 ; 74HC00#2.12 19.7,89.57 40.43,89.57 42,88 42,84.78 44.61,82.17 71.67,82.17 72.59,81.25 81.35,81.25 81.94,80.66 81.94,79.4
/74HC00-13: length 320.4
  Top w0.25: XOR#2.13 85.75,4.14 84.94,3.32 80.22,3.32 79.7,3.85 79.7,5.4 79.3,5.8 72.4,5.8 71.48,6.72 44.42,6.72 41.55,9.59 41.55,12.08 41.16,12.47 31.27,12.47 29.62,14.12 17.61,14.12 74HC00#3.13 ; 74HC00.13 17.61,64.12 29.62,64.12 31.27,62.47 41.16,62.47 41.55,62.08 41.55,59.59 44.42,56.72 71.48,56.72 72.4,55.8 79.3,55.8 79.7,55.4 79.7,53.85 80.22,53.32 84.94,53.32 85.75,54.14 XOR#3.13 ; 74HC00#4.13 17.61,39.12 29.62,39.12 31.27,37.47 41.16,37.47 41.55,37.08 41.55,34.59 44.42,31.72 71.48,31.72 72.4,30.8 79.3,30.8 79.7,30.4 79.7,28.85 80.22,28.32 84.94,28.32 85.75,29.14 XOR#4.13 ; XOR.13 85.75,79.14 84.94,78.32 80.22,78.32 79.7,78.85 79.7,80.4 79.3,80.8 72.4,80.8 71.48,81.72 44.42,81.72 41.55,84.59 41.55,87.08 41.16,87.47 31.27,87.47 29.62,89.12 17.61,89.12 74HC00#2.13
/X1: length 172.6
  Top w0.25: SW1#4.2 49.65,14.01 X1.2 ; SW1.2 49.65,89.01 X1#3.2 ; X1#4.2 49.65,64.01 SW1#3.2 ; SW1#2.2 49.65,39.01 X1#2.2
  Bottom w0.25: v1(65.45,15.6) v1(65.45,10.05) 65.45,4.41 v1(65.44,4.4) 65.44,3.56 65.09,3.22 50.97,3.22 SW1#4.2 SW1#4.2 ; SW1#2.2 SW1#2.2 50.97,28.22 65.09,28.22 65.44,28.56 v1(65.44,29.4) 65.45,29.41 v1(65.45,35.05) v1(65.45,40.6) ; SW1#3.2 SW1#3.2 50.97,53.22 65.09,53.22 65.44,53.56 v1(65.44,54.4) 65.45,54.41 v1(65.45,60.05) v1(65.45,65.6) ; v1(65.45,90.6) v1(65.45,85.05) 65.45,79.41 v1(65.44,79.4) 65.44,78.56 65.09,78.22 50.97,78.22 SW1.2 SW1.2
/X2: length 159.4
  Top w0.25: X2#4.2 55.45,89.31 v1(55.45,88.74) ; X2.2 55.45,14.31 v1(55.45,13.74) ; v1(64.73,81) v1(68.8,81) ; X2#3.2 55.45,64.31 v1(55.45,63.74) ; v1(55.45,38.74) 55.45,39.31 X2#2.2 ; v1(64.73,56) v1(68.8,56) ; v1(64.73,6) v1(68.8,6) ; v1(64.73,31) v1(68.8,31)
  Bottom w0.25: 70.5,30.9 70.4,31 v1(68.8,31) ; 70.5,30.9 v1(70.5,35) v1(70.5,40.6) ; 70.5,30.9 70.5,29.41 v1(70.52,29.4) ; v1(70.5,90.6) v1(70.5,85) 70.5,80.9 ; 58.85,55.95 SW2#2.2 57.33,61.05 55.45,62.93 v1(55.45,63.74) ; 58.85,55.95 SW2#2.2 ; 58.85,55.95 58.9,56 v1(64.73,56) ; 70.5,80.9 70.5,79.41 v1(70.52,79.4) ; 70.5,80.9 70.4,81 v1(68.8,81) ; v1(68.8,6) 70.4,6 70.5,5.9 ; 58.85,5.95 58.9,6 v1(64.73,6) ; 58.85,5.95 SW2.2 57.33,11.05 55.45,12.93 v1(55.45,13.74) ; 58.85,5.95 SW2.2 ; 58.85,30.95 SW2#4.2 ; 58.85,30.95 SW2#4.2 57.33,36.05 55.45,37.93 v1(55.45,38.74) ; 58.85,30.95 58.9,31 v1(64.73,31) ; 70.5,55.9 70.4,56 v1(68.8,56) ; 70.5,55.9 v1(70.5,60) v1(70.5,65.6) ; 70.5,55.9 70.5,54.41 v1(70.52,54.4) ; 70.5,5.9 70.5,4.41 v1(70.52,4.4) ; 70.5,5.9 v1(70.5,10) v1(70.5,15.6) ; v1(64.73,81) 58.9,81 58.85,80.95 ; 58.85,80.95 SW2#3.2 ; 58.85,80.95 SW2#3.2 57.33,86.05 55.45,87.93 v1(55.45,88.74)
/Y: length 177.3
  Top w0.25: v1(62,67.77) v1(69.76,67.77) ; v1(62,42.77) v1(69.76,42.77) ; v1(62,92.76) v1(69.76,92.76) ; v1(89.57,40.6) v1(89.57,35.05) ; v1(89.57,65.6) v1(89.57,60.05) ; v1(89.57,15.6) v1(89.57,10.05) ; v1(89.57,90.6) v1(89.57,85.05) ; v1(62,17.77) v1(69.76,17.77)
  Bottom w0.25: v1(89.57,10.05) 89.57,4.41 v1(89.57,4.41) ; Y#4.2 v1(62,42.77) ; v1(89.57,35.05) 89.57,29.41 v1(89.57,29.41) ; v1(89.57,79.41) 89.57,79.41 v1(89.57,85.05) ; Y#2.2 v1(62,17.77) ; v1(89.57,65.6) 89.57,66.73 88.95,67.35 84.66,67.35 84.64,67.38 83.13,67.38 82.74,67.77 v1(69.76,67.77) ; Y.2 v1(62,67.77) ; v1(89.57,40.6) 89.57,41.73 88.95,42.35 84.66,42.35 84.64,42.38 83.13,42.38 82.74,42.77 v1(69.76,42.77) ; v1(69.76,17.77) 82.74,17.77 83.13,17.38 84.64,17.38 84.66,17.35 88.95,17.35 89.57,16.73 v1(89.57,15.6) ; Y#3.2 v1(62,92.76) ; v1(89.57,90.6) 89.57,91.73 88.95,92.35 84.66,92.35 84.64,92.38 83.13,92.38 82.74,92.76 v1(69.76,92.76) ; v1(89.57,60.05) 89.57,54.41 v1(89.57,54.41)
Net-(D1-Pad1): length 30.5
  Top w0.25: R1.1 39.81,91.9 41.29,91.9 43.07,90.12 X1#3.1 ; R1#2.1 39.81,41.9 41.29,41.9 43.07,40.12 X1#2.1 ; R1#4.1 39.81,16.9 41.29,16.9 43.07,15.12 X1.1 ; R1#3.1 39.81,66.9 41.29,66.9 43.07,65.12 X1#4.1
Net-(D2-Pad1): length 53.6
  Bottom w0.25: R2#2.1 48.36,88.5 50.08,90.22 X2#4.1 ; R2.1 48.36,13.5 50.08,15.22 X2.1 ; X2#2.1 50.08,40.22 48.36,38.5 R2#3.1 ; R2#4.1 48.36,63.5 50.08,65.22 X2#3.1
Net-(D3-Pad1): length 84.1
  Bottom w0.25: R3#3.1 41.85,84.6 43.7,86.45 43.7,86.47 44.83,87.6 52.46,87.6 55.09,90.22 Y#3.1 ; Y#4.1 55.09,40.22 52.46,37.6 44.83,37.6 43.7,36.47 43.7,36.45 41.85,34.6 R3#4.1 ; R3.1 41.85,9.6 43.7,11.45 43.7,11.47 44.83,12.6 52.46,12.6 55.09,15.22 Y#2.1 ; Y.1 55.09,65.22 52.46,62.6 44.83,62.6 43.7,61.47 43.7,61.45 41.85,59.6 R3#2.1

## Copper pours and planes (outline as drawn; the poured copper is in the pictures)
+5V on Top: 100,0 0,0 0,25 100,25
+5V on Top: 100,75 0,75 0,100 100,100
+5V on Top: 100,25 0,25 0,50 100,50
+5V on Top: 100,50 0,50 0,75 100,75
GND on Bottom: 100,50 0,50 0,75 100,75
GND on Bottom: 100,25 0,25 0,50 100,50
GND on Bottom: 100,75 0,75 0,100 100,100
GND on Bottom: 100,0 0,0 0,25 100,25

## Text on the board
F.Silkscreen: USB-C / POWER | Logic Gate Ruler v1.4 / Designed by MILab 2025
